# Altium PCB pcb-4layer-1oz-1.6mm.PcbDoc (part 3 of 4) (continued)
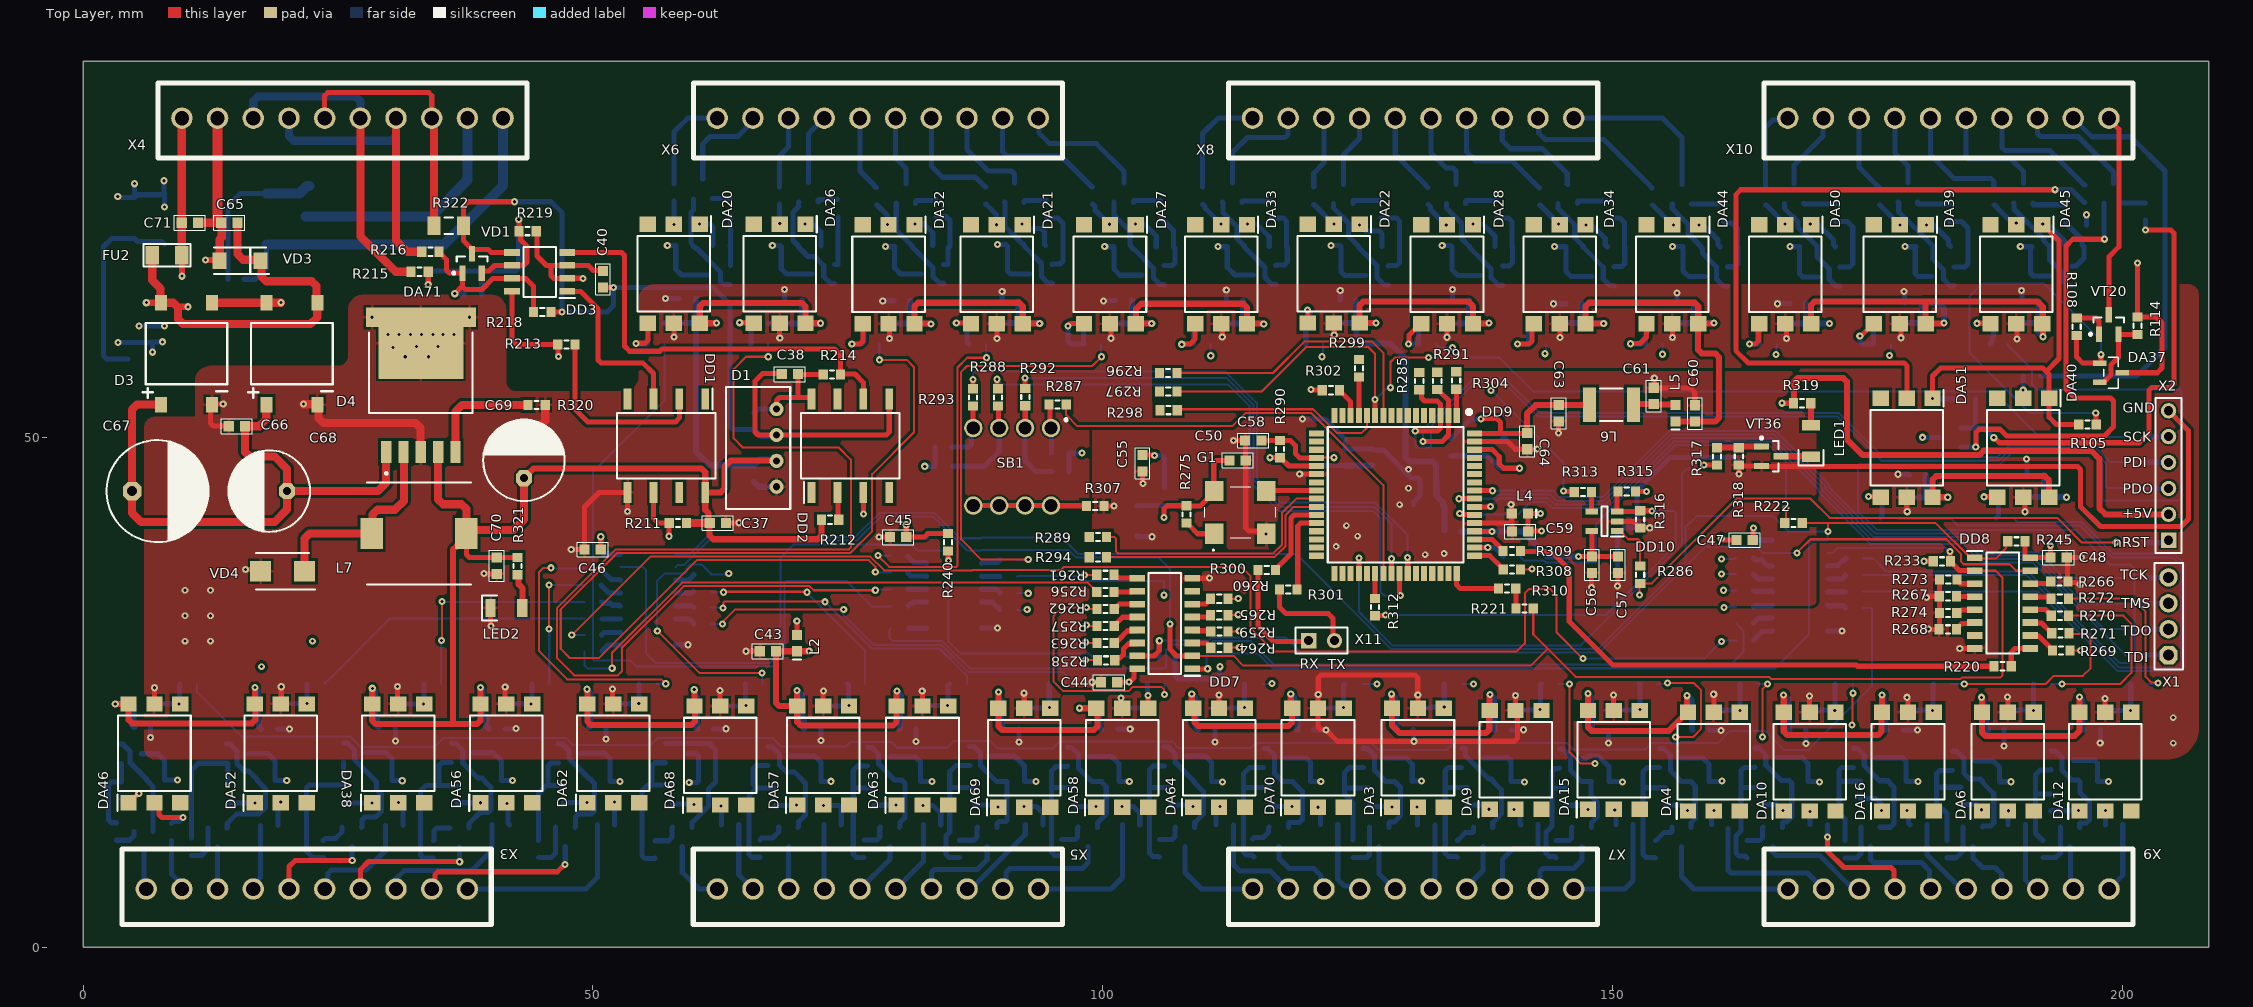
[diagram p0: Top Layer view]
## Nets (pads, with @x,y where several pads share a name; then routed paths per layer and width w, separated by ;. In a path a pad name is that pad's centre, name@x,y a point inside that pad or via, vN(x,y) a via of type N, cw(c..) or ccw(c..) an arc to the next point about the centre after c; other vN are vias at no path point) (continued)
  Bottom Layer w0.5: R22.1@163.213,8.737 163.013,8.937 162.393,8.937 162.1,9.23 162.1,10.9 162.6,11.4 162.6,15.7 ; DA8.1@163.978,17.653 163.948,17.624 162.924,17.624 162.6,17.3 162.6,15.7 ; R19.1@164.631,15.671 162.629,15.671 162.6,15.7
NetDA8_2: DA8.2 R26.2 VT5.2 | length 10.5
  Bottom Layer w0.5: DA8.2@163.978,19.533 164.007,19.503 164.388,19.503 165.038,18.853 165.038,17.862 166.563,16.337 167.35,16.337 167.588,16.099 167.588,12.765 167.077,12.253 166.722,12.253 166.672,12.203 VT5.2@166.672,11.753
NetDA9_2: DA9.2 R23.1 | length 1.8
  Bottom Layer w0.5: v1(140.356,13.515) 140.933,12.938 140.933,12.079 R23.1@141.009,12.003
NetDA9_4: DA9.4 R28.1 R31.1 | length 5.4
  Bottom Layer w0.5: R28.1@140.057,23.27 142.87,23.27 v1(142.9,23.3) 142.938,23.338 142.938,25.733 R31.1@143.011,25.806
NetDA10_2: DA10.2 R24.1 | length 1.3
  Bottom Layer w0.5: R24.1@169.381,12.019 169.385,12.022 169.385,13.315 v1(169.389,13.319)
NetDA10_4: DA10.4 R29.1 R32.1 | length 5.5
  Bottom Layer w0.5: R29.1@168.994,23.27 171.73,23.27 v1(171.8,23.2) 171.829,23.229 171.829,25.777 R32.1@171.858,25.806
NetDA11_1: DA11.1 R27.1 R30.1 | length 10
  Bottom Layer w0.5: R30.1@192.218,10.482 192.168,10.482 191.5,11.15 191.5,15 ; R27.1@192.977,15.032 191.532,15.032 191.5,15 ; DA11.1@193.021,17.389 192.992,17.36 191.96,17.36 191.5,16.9 191.5,15
NetDA11_2: DA11.2 R34.2 VT6.2 | length 10.5
  Bottom Layer w0.5: DA11.2@193.021,19.269 193.05,19.239 193.431,19.239 194.081,18.589 194.081,17.344 195.021,16.404 195.673,16.404 R34.2@195.852,16.225 195.852,15.148 196.8,14.2 196.8,12.483 196.507,12.19 195.883,12.19 195.833,12.14 VT6.2@195.833,11.753
NetDA12_2: DA12.2 R33.1 | length 1.4
  Bottom Layer w0.5: v1(198.339,13.394) 198.351,13.382 R33.1@198.351,12.003
NetDA12_4: DA12.4 R39.1 R40.1 | length 5.7
  Bottom Layer w0.5: R39.1@197.775,23.27 197.845,23.2 v1(200.8,23.2) 200.83,23.23 200.83,25.777 R40.1@200.859,25.806
NetDA13_1: DA13.1 R35.1 R37.1 | length 11.6
  Bottom Layer w0.5: R37.1@144.469,8.751 144.32,8.9 143.793,8.9 143.5,9.193 143.5,11.278 144.067,11.845 144.067,15.609 ; DA13.1@144.796,17.557 144.767,17.528 144.36,17.528 144.067,17.235 144.067,15.609 ; R35.1@145.411,15.609 144.067,15.609
NetDA13_2: DA13.2 R43.2 VT7.2 | length 10.2
  Bottom Layer w0.5: DA13.2@144.796,19.437 145.177,19.437 145.207,19.407 145.207,19.385 145.877,18.715 145.877,17.346 146.998,16.225 R43.2@147.946,16.225 ; R43.2@147.913,16.192 147.913,14.819 148.543,14.189 148.543,12.8 147.946,12.203 VT7.2@147.946,11.753
NetDA14_1: DA14.1 R36.1 R38.1 | length 10.8
  Bottom Layer w0.5: R38.1@172.806,10.445 172.806,12.594 172.2,13.2 172.2,16.3 ; DA14.1@173.634,17.627 172.493,17.627 172.2,17.334 172.2,16.3 ; R36.1@174.299,16.27 172.23,16.27 172.2,16.3
NetDA14_2: DA14.2 R44.2 VT8.2 | length 11.2
  Bottom Layer w0.5: DA14.2@173.634,19.506 173.664,19.477 174.045,19.477 174.695,18.827 174.695,17.805 176.188,16.312 177.009,16.312 R44.2@177.095,16.225 177.095,16.175 177.295,15.975 177.307,15.975 177.6,15.682 177.6,12.1 177.253,11.753 VT8.2@176.258,11.753
NetDA15_2: DA15.2 R41.1 | length 1.5
  Bottom Layer w0.5: v1(150.225,13.461) 150.333,13.353 R41.1@150.333,12.003
NetDA15_4: DA15.4 R46.1 R48.1 | length 5.6
  Bottom Layer w0.5: R46.1@149.646,23.27 152.67,23.27 v1(152.7,23.3) 152.684,23.316 152.684,25.79 R48.1@152.668,25.806
NetDA16_2: DA16.2 R42.1 | length 1.5
  Bottom Layer w0.5: v1(178.9,13.4) 179.047,13.253 179.047,12.131 R42.1@179.174,12.003
NetDA16_4: DA16.4 R45.1 R47.1 | length 5.8
  Bottom Layer w0.5: R45.1@178.32,23.27 181.33,23.27 v1(181.4,23.2) 181.438,23.238 181.438,25.746 R47.1@181.499,25.806
NetDA17_1: DA17.1 R49.1 R52.1 | length 4.9
  Bottom Layer w0.5: R49.1@63.476,68.821 63.491,68.836 63.491,71.706 R52.1@63.506,71.721 ; DA17.1@63.492,66.849 R49.1@63.492,68.821
NetDA17_2: DA17.2 R58.2 VT9.2 | length 10.2
  Bottom Layer w0.5: R58.2@59.627,69.07 59.627,72.056 59.851,72.279 59.851,73.387 VT9.2@59.852,73.388 ; R58.2@59.832,68.814 59.832,68.764 60.032,68.564 60.163,68.564 62.5,66.227 62.5,65.292 62.793,64.999 63.418,64.999 DA17.2@63.448,64.97
NetDA18_1: DA18.1 R50.1 R53.1 | length 6.7
  Bottom Layer w0.5: R53.1@94.484,71.521 95.579,71.521 96.112,70.988 R50.1@96.112,68.814 96.112,67.287 95.819,66.994 95.086,66.994 DA18.1@95.057,66.965
NetDA18_2: DA18.2 R59.2 VT10.2 | length 10.1
  Bottom Layer w0.5: VT10.2@90.398,73.052 90.437,73.014 90.437,70.659 92.1,68.995 92.15,68.995 92.35,68.795 R59.2@92.35,68.745 ; R59.2@92.35,68.695 93.996,67.049 93.996,65.765 94.646,65.115 95.027,65.115 DA18.2@95.057,65.085
NetDA19_1: DA19.1 R51.1 R54.1 | length 7.2
  Bottom Layer w0.5: R54.1@127.313,71.521 128.807,71.521 129.1,71.228 R51.1@129.1,68.697 129.1,67.123 128.807,66.83 128.04,66.83 DA19.1@128.01,66.801
NetDA19_2: DA19.2 R60.2 VT11.2 | length 10.4
  Bottom Layer w0.5: VT11.2@122.659,72.92 122.659,72.47 124.1,71.029 124.1,69.729 125.075,68.754 R60.2@125.075,68.704 125.075,68.654 126.886,66.843 126.886,65.664 127.629,64.921 DA19.2@128.01,64.921
NetDA20_2: DA20.2 R55.1 | length 2.3
  Bottom Layer w0.5: R55.1@57.938,73.15 57.938,70.899 v1(57.946,70.891)
NetDA20_4: DA20.4 R62.1 R64.1 | length 6.1
  Top Layer w0.5: v1(54.224,59.187) 54.263,59.225 55.105,59.225 55.398,59.518 DA20.4@55.398,61.189
  Bottom Layer w0.5: v1(54.224,59.187) 54.24,59.171 55.324,59.171 R64.1@55.339,59.157 ; R62.1@55.337,61.183 55.339,61.181 R64.1@55.339,59.157 ; R64.1@55.34,59.155 R64.1@55.339,59.157
NetDA21_2: DA21.2 R56.1 | length 2.5
  Bottom Layer w0.5: R56.1@88.529,72.852 88.579,72.852 89.594,71.838 v1(89.594,70.848)
NetDA21_4: DA21.4 R61.1 R65.1 | length 5.1
  Top Layer w0.5: v1(85.644,61.197) 87.032,61.197 DA21.4@87.08,61.15
  Bottom Layer w0.5: v1(85.644,61.197) v1(85.644,61.197) 86.02,61.196 86.021,61.194 R61.1@87.501,61.194 ; 86.687,60.903 86.687,59.347 R65.1@86.879,59.155
NetDA22_2: DA22.2 R57.1 | length 2.8
  Bottom Layer w0.5: R57.1@120.687,72.83 120.737,72.83 122.666,70.9 v1(122.7,70.9)
NetDA22_4: DA22.4 R63.1 R66.1 | length 5
  Top Layer w0.5: v1(120.089,62.5) 120.121,62.468 DA22.4@120.121,61.201
  Bottom Layer w0.5: R66.1@119.916,59.155 119.916,60.611 120.462,61.158 R63.1@120.462,61.208 120.351,61.318 120.351,62.184 120.089,62.446 v1(120.089,62.5)
NetDA23_1: DA23.1 R67.1 R70.1 | length 5
  Bottom Layer w0.5: DA23.1@73.705,66.955 74.03,66.955 74.06,66.985 R67.1@74.06,68.695 ; R70.1@74.033,71.624 74.047,71.611 74.047,68.758 R67.1@74.06,68.745
NetDA23_2: DA23.2 R75.2 VT12.2 | length 10.5
  Bottom Layer w0.5: VT12.2@70.2,73.085 70.15,73.035 70.15,72.585 69.632,72.066 69.632,69.301 70.177,68.756 70.177,68.656 71.099,67.734 71.736,67.734 72.644,66.826 72.644,65.755 73.324,65.076 DA23.2@73.705,65.076
NetDA24_1: DA24.1 R68.1 R71.1 | length 6.2
  Bottom Layer w0.5: R71.1@105.669,71.521 105.719,71.521 106.956,70.283 R68.1@106.956,68.687 107.089,68.553 107.089,67.154 106.797,66.861 106.067,66.861 DA24.1@106.037,66.832
NetDA24_2: DA24.2 R76.2 VT13.2 | length 10.3
  Bottom Layer w0.5: VT13.2@101.126,73.055 101.126,71.774 102.685,70.215 102.685,68.827 R76.2@102.826,68.687 ; R76.2@102.858,68.605 103.026,68.437 103.108,68.437 104.977,66.567 104.977,65.632 105.627,64.982 106.008,64.982 DA24.2@106.037,64.952
NetDA25_1: DA25.1 R69.1 R72.1 | length 6.8
  Bottom Layer w0.5: R72.1@138.626,71.521 139.779,71.521 140.165,71.135 R69.1@140.165,68.704 140.2,68.669 140.2,67.111 139.907,66.818 139.256,66.818 DA25.1@139.226,66.789
NetDA25_2: DA25.2 R78.2 VT14.2 | length 10.5
  Bottom Layer w0.5: VT14.2@133.713,72.92 133.713,72.47 135.2,70.983 135.2,69.5 135.963,68.737 R78.2@135.963,68.687 135.963,68.637 138.102,66.497 138.102,65.652 138.845,64.909 DA25.2@139.226,64.909
NetDA26_2: DA26.2 R73.1 | length 1.9
  Bottom Layer w0.5: R73.1@68.319,72.852 68.319,70.958 v1(68.327,70.95)
NetDA26_4: DA26.4 R79.1 R82.1 | length 4.6
  Top Layer w0.5: v1(64.4,61.238) 65.73,61.238 DA26.4@65.779,61.189
  Bottom Layer w0.5: v1(64.4,61.238) 64.432,61.206 65.449,61.206 65.529,61.126 65.529,59.204 R82.1@65.481,59.155
NetDA27_2: DA27.2 R74.1 | length 2.7
  Bottom Layer w0.5: R74.1@99.005,72.852 99.055,72.852 99.255,72.652 99.255,72.302 v1@100.649,70.907
  other v1: 100.649,70.895
NetDA27_4: DA27.4 R80.1 R83.1 | length 7
  Top Layer w0.5: v1(96.6,60.9) 96.85,61.15 DA27.4@98.175,61.15
  Bottom Layer w0.5: v1(96.6,60.9) 96.6,59.448 96.893,59.155 R83.1@98.155,59.155 ; R83.1@98.124,59.186 98.124,60.665 98.568,61.109 R80.1@98.568,61.159
NetDA28_2: DA28.2 R77.1 | length 2.8
  Bottom Layer w0.5: R77.1@131.908,72.817 131.958,72.817 132.158,72.617 132.158,72.342 v1(133.7,70.8)
NetDA28_4: DA28.4 R81.1 R84.1 | length 5.7
  Top Layer w0.5: v1(130.004,59.159) 130.043,59.198 130.043,60.01 131.183,61.15 DA28.4@131.233,61.15
  Bottom Layer w0.5: v1(130.004,59.159) 130.009,59.155 R84.1@130.958,59.155 130.958,60.488 131.366,60.896 131.366,60.946 R81.1@131.566,61.146
NetDA29_1: DA29.1 R85.1 R88.1 | length 6.3
  Bottom Layer w0.5: R88.1@83.658,71.631 84.669,71.631 85.039,71.261 85.039,68.764 84.839,68.564 84.839,68.287 84.823,68.272 84.823,67.278 84.822,67.277 84.822,66.985 84.793,66.956 DA29.1@84.412,66.956
NetDA29_2: DA29.2 R94.2 VT15.2 | length 10
  Bottom Layer w0.5: VT15.2@79.758,72.959 79.758,70.321 81.343,68.737 R94.2@81.343,68.687 81.343,68.637 83.351,66.628 83.351,65.756 84.001,65.106 84.382,65.106 DA29.2@84.412,65.076
NetDA30_1: DA30.1 R86.1 R89.1 | length 6.9
  Bottom Layer w0.5: R89.1@116.52,71.491 117.749,71.491 118.042,71.198 R86.1@118.042,68.704 118.1,68.646 118.1,67.185 117.807,66.892 117.006,66.892 DA30.1@116.977,66.862
NetDA30_2: DA30.2 R95.2 VT16.2 | length 10.4
  Bottom Layer w0.5: VT16.2@111.77,73.052 111.82,73.002 111.82,72.013 113.2,70.633 113.2,69.459 113.923,68.737 R95.2@113.923,68.687 113.923,68.637 115.917,66.643 115.917,65.662 116.567,65.012 116.948,65.012 DA30.2@116.977,64.983
NetDA31_1: DA31.1 R87.1 R90.1 | length 6.7
  Bottom Layer w0.5: R90.1@149.91,71.521 150.707,71.521 151.184,71.044 R87.1@151.184,68.687 151.2,68.671 151.2,67.049 150.907,66.756 150.186,66.756 DA31.1@150.156,66.726
NetDA31_2: DA31.2 R96.2 VT17.2 | length 10.6
  Bottom Layer w0.5: VT17.2@144.666,72.92 144.666,72.47 146.3,70.836 146.3,69.571 147.134,68.737 R96.2@147.134,68.687 147.134,68.637 149.096,66.675 149.096,65.526 149.746,64.876 150.127,64.876 DA31.2@150.156,64.847
NetDA32_2: DA32.2 R91.1 | length 2.4
  Bottom Layer w0.5: R91.1@77.827,72.792 77.877,72.792 78.9,71.769 v1(78.9,70.879)
NetDA32_4: DA32.4 R99.1 R102.1 | length 6.1
  Top Layer w0.5: v1(75.395,59.16) 76.207,59.16 76.5,59.453 76.5,61.11 DA32.4@76.46,61.15
  Bottom Layer w0.5: v1(75.395,59.16) 75.4,59.155 R102.1@76.389,59.155 76.589,59.355 76.589,59.689 76.598,59.698 76.598,61.025 R99.1@76.73,61.157
NetDA33_2: DA33.2 R92.1 | length 2.7
  Bottom Layer w0.5: R92.1@109.802,72.831 109.852,72.831 110.052,72.631 110.052,72.454 111.6,70.906 v1(111.6,70.9)
NetDA33_4: DA33.4 R97.1 R100.1 | length 6.4
  Top Layer w0.5: v1(107.759,59.121) 107.797,59.159 108.585,59.159 109.075,59.65 DA33.4@109.075,61.15
  Bottom Layer w0.5: v1(107.759,59.121) 107.776,59.138 108.883,59.138 R100.1@108.9,59.155 108.9,60.606 109.417,61.124 R97.1@109.417,61.174
NetDA34_2: DA34.2 R93.1 | length 2.7
  Bottom Layer w0.5: R93.1@142.85,72.777 142.9,72.777 144.7,70.977 v1(144.7,70.9)
NetDA34_4: DA34.4 R98.1 R101.1 | length 7.1
  Top Layer w0.5: v1(140.675,59.138) 141.807,59.138 142.1,59.431 142.1,60.969 DA34.4@142.281,61.15
  Bottom Layer w0.5: v1(140.675,59.138) 140.692,59.155 R101.1@141.765,59.155 141.765,60.807 141.932,60.974 142.35,60.974 142.55,61.174 R98.1@142.55,61.224
NetDA35_1: DA35.1 R103.1 R106.1 | length 14.4
  Bottom Layer w0.5: R106.1@23.558,8.765 22.535,8.765 21.9,9.4 21.9,15.607 22.193,15.9 R103.1@25.692,15.9 ; DA35.1@25.531,18.151 25.531,16.061 R103.1@25.692,15.9 ; R103.1@25.748,15.861 25.709,15.9 R103.1@25.692,15.9
NetDA35_2: DA35.2 R112.2 VT18.2 | length 11.5
  Bottom Layer w0.5: DA35.2@25.531,20.031 25.56,20.002 25.941,20.002 26.616,19.327 26.616,18.383 28.618,16.381 R112.2@28.618,16.331 28.762,16.187 28.762,15.463 29.269,14.956 29.269,13.321 28.695,12.748 27.654,12.748 27.361,12.455 27.361,11.803 VT18.2@27.311,11.753
NetDA36_1: DA36.1 R104.1 R107.1 | length 7.1
  Bottom Layer w0.5: R107.1@183.057,71.172 184.228,71.172 184.868,70.532 R104.1@184.868,68.703 184.868,67.009 184.575,66.716 DA36.1@183.515,66.716
NetDA36_2: DA36.2 R113.2 VT19.2 | length 10.7
  Bottom Layer w0.5: VT19.2@178.029,73.069 178.079,73.019 178.079,72.121 180.532,69.668 180.533,69.668 181.465,68.737 R113.2@181.465,68.687 181.465,67.437 182.454,66.447 182.454,65.515 183.104,64.865 183.485,64.865 DA36.2@183.515,64.836
NetDA37_1: DA37.1 R105.1 R108.1 | length 44.2
  Top Layer w0.5: R108.1@195.528,59.993 195.528,57.872 196.126,57.274 DA37.1@197.799,57.274 197.871,57.274 197.9,57.303 v1(197.9,58.1) ; v1(197.4,52.4) 197.44,52.36 R105.1@197.44,51.264
  Bottom Layer w0.2: v1(197.4,52.4) 190.9,52.4 185,58.3 185,63.8 186.3,65.1 192.3,65.1 197.9,59.5 v1(197.9,58.1)
NetDA37_2: DA37.2 R114.2 VT20.2 | length 7.6
  Top Layer w0.5: DA37.2@197.799,55.394 197.828,55.424 198.209,55.424 198.879,56.093 198.879,57.079 199.63,57.83 VT20.2@199.63,60.106 199.65,60.086 R114.2@201.479,60.086
NetDA38_2: DA38.2 R109.1 | length 2.4
  Bottom Layer w0.5: v1(30.955,14.198) 31.373,13.779 R109.1@31.373,11.938
NetDA38_4: DA38.4 R115.1 R118.1 | length 5.1
  Bottom Layer w0.5: R115.1@30.318,23.869 30.33,23.857 33.379,23.857 v1(33.39,23.846) 33.421,23.878 R118.1@33.421,25.806
NetDA39_2: DA39.2 R110.1 | length 2.8
  Bottom Layer w0.5: R110.1@176.175,72.777 176.225,72.777 178.2,70.802 v1(178.2,70.8)
NetDA39_4: DA39.4 R116.1 R119.1 | length 6.1
  Top Layer w0.5: v1(174.259,59.922) 174.297,59.96 174.398,59.96 175.588,61.15 DA39.4@175.638,61.15
  Bottom Layer w0.5: v1(174.259,59.922) 174.297,59.883 174.297,59.41 174.552,59.155 R119.1@175.612,59.155 175.612,60.634 176.125,61.147 R116.1@176.125,61.197
NetDA40_2: DA40.2 R111.1 | length 2.2
  Top Layer w0.5: v1(190.284,54.65) 190.284,53.821 DA40.2@190.29,53.816
  Bottom Layer w0.5: R111.1@190.268,56.022 190.276,56.014 190.276,54.658 v1(190.284,54.65)
NetDA40_4: DA40.4 R117.1 R120.1 | length 5.2
  Top Layer w0.5: v1(186.453,44.165) 187.701,44.165 DA40.4@187.75,44.116
  Bottom Layer w0.5: v1(186.453,44.165) 186.459,44.159 188.05,44.159 R117.1@188.056,44.153 187.878,43.975 187.878,42.336 R120.1@187.638,42.096
NetDA41_1: DA41.1 R121.1 R124.1 | length 6.2
  Bottom Layer w0.5: R124.1@160.916,71.172 161.088,71 161.707,71 162.254,70.453 R121.1@162.254,68.692 162.3,68.646 162.3,67.017 162.007,66.724 161.308,66.724 DA41.1@161.279,66.694
NetDA41_2: DA41.2 R129.2 VT21.2 | length 10.5
  Bottom Layer w0.5: VT21.2@155.867,72.884 155.867,72.434 157.4,70.901 157.4,69.98 158.626,68.754 R129.2@158.626,68.704 158.826,68.504 158.826,68.085 160.187,66.725 160.187,65.526 160.869,64.844 161.25,64.844 DA41.2@161.279,64.815
NetDA42_1: DA42.1 R122.1 R125.1 | length 5.8
  Bottom Layer w0.5: R125.1@194.423,71.032 194.485,71.032 194.673,70.844 194.673,70.782 196.052,69.403 196.052,68.891 R122.1@196.252,68.691 196.252,67.576 195.467,66.792 195.086,66.792 DA42.1@195.057,66.762
NetDA42_2: DA42.2 R130.2 VT22.2 | length 10.7
  Bottom Layer w0.5: VT22.2@189.34,72.976 189.39,72.926 189.39,72.381 192.3,69.471 192.3,69.287 192.85,68.737 R130.2@192.85,68.687 192.85,67.437 194.1,66.187 194.1,65.459 194.676,64.883 DA42.2@195.057,64.883
NetDA43_1: DA43.1 R123.1 R126.1 | length 7.7
  Bottom Layer w0.5: R126.1@3.291,12.175 3.266,12.2 2.793,12.2 2.5,12.493 2.5,15.917 2.793,16.21 R123.1@3.765,16.21 3.765,17.992 3.735,18.021 DA43.1@3.551,18.021
NetDA43_2: DA43.2 R132.2 VT23.2 | length 10.2
  Bottom Layer w0.5: DA43.2@3.551,19.901 3.932,19.901 3.961,19.871 3.961,19.83 4.611,19.18 4.611,18.095 6.119,16.588 6.119,16.538 R132.2@6.269,16.388 6.269,16.338 6.876,15.731 VT23.2@6.876,11.337
NetDA44_2: DA44.2 R127.1 | length 2.9
  Bottom Layer w0.5: R127.1@153.896,72.777 153.946,72.777 155.923,70.8 v1(156,70.8)
NetDA44_4: DA44.4 R134.1 R136.1 | length 6.9
  Top Layer w0.5: v1(151.764,59.173) 151.803,59.211 152.705,59.211 153.337,59.843 DA44.4@153.337,61.15
  Bottom Layer w0.5: v1(151.764,59.173) 151.773,59.164 153.25,59.164 R136.1@153.259,59.155 153.259,60.159 153.504,60.404 153.504,60.969 R134.1@153.704,61.169
NetDA45_2: DA45.2 R128.1 | length 2.9
  Bottom Layer w0.5: R128.1@187.438,72.777 187.488,72.777 187.688,72.577 187.688,72.527 189.176,71.038 189.562,71.038 v1(189.6,71)
NetDA45_4: DA45.4 R133.1 R137.1 | length 5.1
  Top Layer w0.5: v1(185.761,61.182) 187.043,61.182 DA45.4@187.075,61.15
  Bottom Layer w0.5: v1(185.761,61.182) 185.771,61.192 R133.1@187.388,61.192 187.388,59.942 187.223,59.778 187.223,59.355 R137.1@187.023,59.155
NetDA46_2: DA46.2 R131.1 | length 5.2
  Top Layer w0.5: DA46.2@7,14.15 7.454,13.696 7.454,12.993 7.747,12.7 v1(9.8,12.7)
  Bottom Layer w0.5: R131.1@8.689,12.142 8.889,12.342 9.407,12.342 9.765,12.7 v1(9.8,12.7)
NetDA46_4: DA46.4 R135.1 R138.1 | length 4.9
  Bottom Layer w0.5: R135.1@6.522,23.869 9.411,23.869 v1(9.416,23.863) 9.453,23.9 9.453,25.769 R138.1@9.49,25.806
NetDA47_1: DA47.1 R139.1 R142.1 | length 6.9
  Bottom Layer w0.5: R142.1@171.886,71.172 173.028,71.172 173.57,70.63 R139.1@173.57,68.691 173.57,67.003 173.277,66.71 172.354,66.71 DA47.1@172.325,66.68
NetDA47_2: DA47.2 R148.2 VT24.2 | length 10.6
  Bottom Layer w0.5: VT24.2@166.858,72.926 166.858,72.476 168.2,71.135 168.2,70.595 170.058,68.737 170.058,67.708 171.264,66.502 171.264,65.48 171.914,64.83 172.295,64.83 DA47.2@172.325,64.801
NetDA48_1: DA48.1 R140.1 R143.1 | length 47.9
  Top Layer w0.5: v1(187.397,49.962) 187.451,49.962 187.95,49.463 201.663,49.463 202.607,50.407 202.607,54.607 202.9,54.9 204.765,54.9 205.058,55.193 205.058,70.037 204.765,70.33 v1(202.262,70.33)
  Bottom Layer w0.5: DA48.1@184.205,50.908 185.779,50.908 ; R140.1@185.601,53.747 185.601,51.086 185.779,50.908 ; v1(187.397,49.962) 186.451,50.908 185.779,50.908 ; v1(202.262,70.33) 202.262,71.267 R143.1@202.292,71.298
NetDA48_2: DA48.2 R149.2 VT25.2 | length 46.5
  Top Layer w0.5: v1(185.63,49.051) 185.668,49.089 185.668,50.5 185.961,50.793 188.007,50.793 188.671,50.129 198.246,50.129 199.142,51.026 199.142,53.552 198.849,53.845 195.355,53.845 194.478,54.722 194.478,68.755 195.15,69.427 v1(198.264,69.427)
  Bottom Layer w0.5: DA48.2@184.205,49.028 185.607,49.028 v1(185.63,49.051) ; VT25.2@198.189,72.978 198.192,72.975 198.192,70.797 R149.2@198.195,70.795 198.195,69.551 198.264,69.482 v1(198.264,69.427)
NetDA49_1: DA49.1 R141.1 R144.1 | length 12.6
  Bottom Layer w0.5: R144.1@10.616,10.695 10.616,17.316 11.332,18.032 DA49.1@14.023,18.032 14.157,18.032 14.187,18.002 R141.1@14.187,15.861
NetDA49_2: DA49.2 R150.2 VT26.2 | length 13.1
  Bottom Layer w0.5: DA49.2@14.023,19.911 14.404,19.911 15.083,19.232 15.083,18 15.793,17.29 16.217,17.29 17.126,16.381 R150.2@17.126,16.331 17.126,16.281 17.9,15.507 17.9,13.7 17.234,13.034 15.032,13.034 14.187,12.188 14.137,12.138 VT26.2@14.137,11.688
NetDA50_2: DA50.2 R145.1 | length 2.7
  Bottom Layer w0.5: R145.1@165.024,72.777 165.074,72.777 166.9,70.951 v1(166.9,70.9)
NetDA50_4: DA50.4 R151.1 R154.1 | length 5.9
  Top Layer w0.5: v1(163.439,59.156) 164.007,59.156 164.3,59.449 164.3,61.048 DA50.4@164.401,61.15
  Bottom Layer w0.5: v1(163.439,59.156) R154.1@164.403,59.155 164.403,60.693 164.835,61.126 R151.1@164.835,61.176
NetDA51_2: DA51.2 R146.1 | length 70.9
  Top Layer w0.5: DA51.2@178.9,53.8 178.9,56.987 178.607,57.28 163.32,57.28 162.1,58.5 162.1,73.8 162.583,74.283 v1(193.411,74.283)
  Bottom Layer w0.5: v1(193.411,74.283) 195.027,74.283 196.273,73.037 R146.1@196.323,73.037
NetDA51_4: DA51.4 R152.1 R155.1 | length 5
  Top Layer w0.5: v1(175.1,44.2) 176.223,44.2 DA51.4@176.307,44.116
  Bottom Layer w0.5: v1(175.1,44.2) 176.522,44.2 R152.1@176.62,44.102 176.438,43.919 176.438,42.264 R155.1@176.271,42.096
NetDA52_2: DA52.2 R147.1 | length 2.4
  Bottom Layer w0.5: R147.1@19.106,11.938 19.106,13.874 19.391,14.158 v1(19.391,14.212)
NetDA52_4: DA52.4 R153.1 R156.1 | length 5.1
  Bottom Layer w0.5: R153.1@18.826,23.869 18.843,23.885 21.938,23.885 v1(21.955,23.901) 21.977,23.924 R156.1@21.977,25.806
NetDA53_1: DA53.1 R157.1 R160.1 | length 14.8
  Bottom Layer w0.5: R160.1@34.377,8.746 33.393,8.746 33.1,9.038 33.1,15.3 33.661,15.861 34.8,15.861 ; DA53.1@36.133,18.119 36.115,18.1 35.193,18.1 34.9,17.807 34.9,15.961 34.8,15.861 ; R157.1@36.689,15.861 34.8,15.861
NetDA53_2: DA53.2 R166.2 VT27.2 | length 11.4
  Bottom Layer w0.5: DA53.2@36.133,19.998 36.163,19.969 36.544,19.969 37.235,19.277 37.235,18.065 38.719,16.581 R166.2@39.158,16.581 ; VT27.2@37.867,11.688 37.867,12.138 38.928,13.2 39.707,13.2 40,13.493 40,15.689 39.608,16.081 39.558,16.081 39.358,16.281 R166.2@39.358,16.331
NetDA54_1: DA54.1 R158.1 R161.1 | length 13.4
  Bottom Layer w0.5: R161.1@66.373,8.809 65.593,8.809 65.3,9.102 65.3,14.788 66.106,15.594 ; DA54.1@67.191,17.791 65.993,17.791 65.7,17.498 65.7,16 66.106,15.594 ; R158.1@67.844,15.594 66.106,15.594
NetDA54_2: DA54.2 R167.2 VT28.2 | length 10.4
  Bottom Layer w0.5: DA54.2@67.191,19.671 67.221,19.641 67.602,19.641 68.286,18.957 68.286,17.865 68.964,17.187 69.743,17.187 70.656,16.275 R167.2@70.656,16.225 70.842,16.039 70.842,12.95 70.185,12.292 70.185,11.803 VT28.2@70.135,11.753
NetDA55_1: DA55.1 R159.1 R162.1 | length 13.1
  Bottom Layer w0.5: R162.1@95.991,8.863 95.854,9 95.293,9 95,9.293 95,15.6 ; DA55.1@96.54,17.742 96.51,17.713 95.413,17.713 95,17.3 95,15.6 ; R159.1@97.2,15.665 95.065,15.665 95,15.6
NetDA55_2: DA55.2 R168.2 VT29.2 | length 10.6
  Bottom Layer w0.5: DA55.2@96.54,19.622 96.569,19.592 96.95,19.592 97.637,18.906 97.637,17.543 98.955,16.225 R168.2@99.914,16.225 99.914,16.175 100.349,15.74 100.349,13.058 99.495,12.203 VT29.2@99.495,11.753
NetDA56_2: DA56.2 R163.1 | length 2.2
  Bottom Layer w0.5: v1(41.579,14.098) 41.579,14.044 41.673,13.951 41.673,12.137 R163.1@41.806,12.003
NetDA56_4: DA56.4 R169.1 R173.1 | length 5.1
  Bottom Layer w0.5: R169.1@40.808,23.869 43.946,23.869 v1(43.953,23.862) 43.953,23.916 44.023,23.986 R173.1@44.023,25.806
NetDA57_2: DA57.2 R164.1 | length 3.5
  Bottom Layer w0.5: v1(72.6,13.9) 74.063,13.9 74.356,13.607 R164.1@74.356,12.003
NetDA57_4: DA57.4 R170.1 R172.1 | length 5.1
  Bottom Layer w0.5: R170.1@72.147,23.653 75.053,23.653 v1(75.1,23.7) 75.062,23.738 75.062,25.744 R172.1@74.999,25.806
NetDA58_2: DA58.2 R165.1 | length 3.2
  Bottom Layer w0.5: v1(101.9,13.8) 103,13.8 103.638,13.162 R165.1@103.638,12.003
NetDA58_4: DA58.4 R171.1 R174.1 | length 6.6
  Top Layer w0.5: v1(104.439,24.677) 104.439,23.447 DA58.4@104.458,23.428
  Bottom Layer w0.5: R171.1@101.3,23.438 104.138,23.438 104.431,23.731 104.431,24.669 v1(104.439,24.677) 104.404,24.712 104.404,25.772 R174.1@104.369,25.806
NetDA59_1: DA59.1 R175.1 R178.1 | length 10.5
  Bottom Layer w0.5: R178.1@44.668,10.482 44.668,15.068 45.461,15.861 ; DA59.1@46.603,18.075 46.573,18.046 45.893,18.046 45.6,17.753 45.6,16 45.461,15.861 ; R175.1@47.123,15.861 45.461,15.861
NetDA59_2: DA59.2 R183.2 VT30.2 | length 11.5
  Bottom Layer w0.5: DA59.2@46.603,19.955 46.632,19.925 47.013,19.925 47.649,19.29 47.649,18.507 49.681,16.475 49.762,16.475 49.931,16.306 R183.2@49.931,16.225 ; VT30.2@48.238,11.753 48.288,11.803 48.288,12.78 48.581,13.073 49.873,13.073 50.166,13.366 50.166,15.682 50.162,15.686 50.162,16.025 R183.2@49.962,16.225
NetDA60_1: DA60.1 R176.1 R179.1 | length 13
  Bottom Layer w0.5: 75.8,15.6 75.538,15.6 ; 75.801,15.601 R176.1@77.574,15.601 ; R179.1@76.584,8.805 75.831,8.805 75.538,9.098 75.538,15.6 ; DA60.1@76.949,17.742 75.942,17.742 75.538,17.338 75.538,15.6
NetDA60_2: DA60.2 R184.2 VT31.2 | length 10.2
  Bottom Layer w0.5: DA60.2@76.971,19.6 77,19.571 77.381,19.571 78.031,18.921 78.031,17.95 79.594,16.387 80.281,16.387 80.604,16.064 80.604,12.722 80.135,12.253 80.135,11.803 VT31.2@80.085,11.753
NetDA61_1: DA61.1 R177.1 R180.1 | length 13
  Bottom Layer w0.5: R180.1@105.551,8.837 105.488,8.9 104.893,8.9 104.6,9.193 104.6,15.6 ; DA61.1@106.041,17.775 106.012,17.745 104.945,17.745 104.6,17.4 104.6,15.6 ; R177.1@106.681,15.64 104.64,15.64 104.6,15.6
NetDA61_2: DA61.2 R186.2 VT32.2 | length 10.1
  Bottom Layer w0.5: DA61.2@106.041,19.654 106.07,19.625 106.451,19.625 107.101,18.975 107.101,18.143 108.969,16.275 R186.2@108.969,16.225 108.969,16.175 109.9,15.244 109.9,13.068 109.035,12.203 VT32.2@109.035,11.753
NetDA62_2: DA62.2 R181.1 | length 2.2
  Bottom Layer w0.5: v1(52.134,14.213) v1(52.134,14.213) R181.1@52.135,12.003
NetDA62_4: DA62.4 R187.1 R190.1 | length 4.9
  Bottom Layer w0.5: R187.1@51.479,23.869 54.469,23.869 v1(54.5,23.9) 54.51,23.91 54.51,25.796 R190.1@54.52,25.806
NetDA63_2: DA63.2 R182.1 | length 3.2
  Bottom Layer w0.5: v1(82.4,13.9) 83.344,13.9 84.121,13.123 R182.1@84.121,12.003
NetDA63_4: DA63.4 R188.1 R191.1 | length 5.1
  Bottom Layer w0.5: R188.1@81.876,23.653 81.924,23.7 v1(84.8,23.7) 84.838,23.738 84.838,25.666 R191.1@84.978,25.806
NetDA64_2: DA64.2 R185.1 | length 2
  Bottom Layer w0.5: R185.1@111.119,11.986 111.119,13.481 111.438,13.8 v1(111.5,13.8)
NetDA64_4: DA64.4 R189.1 R192.1 | length 5.4
  Bottom Layer w0.5: R189.1@110.85,23.438 113.838,23.438 v1(113.9,23.5) 113.911,23.511 113.911,25.795 R192.1@113.923,25.806
NetDA65_1: DA65.1 R193.1 R196.1 | length 14.3
  Bottom Layer w0.5: R196.1@56.113,8.727 56.086,8.7 55.093,8.7 54.8,8.993 54.8,15.3 55.4,15.9 55.7,15.9 ; DA65.1@57.107,18.081 56.093,18.081 55.8,17.788 55.8,16 55.7,15.9 ; R193.1@57.762,15.861 57.723,15.9 55.7,15.9
NetDA65_2: DA65.2 R202.2 VT33.2 | length 13.8
  Bottom Layer w0.5: DA65.2@57.107,19.961 61.439,19.961 62.044,19.356 62.044,16.175 61.844,15.975 61.794,15.975 61.34,15.52 61.34,13.827 59.716,12.203 VT33.2@59.716,11.753
NetDA66_1: DA66.1 R194.1 R197.1 | length 14.3
  Bottom Layer w0.5: R197.1@85.944,8.782 84.941,8.782 84.648,9.075 84.648,10.948 85,11.3 85,15.7 ; DA66.1@86.968,17.797 85.597,17.797 85,17.2 85,15.7 ; R194.1@87.416,15.636 85.064,15.636 85,15.7
NetDA66_2: DA66.2 R203.2 VT34.2 | length 11.1
  Bottom Layer w0.5: DA66.2@86.968,19.676 87.349,19.676 88.028,18.997 88.028,17.8 89.603,16.225 R203.2@90.635,16.225 90.635,12.435 90.5,12.3 89.827,12.3 89.627,12.1 VT34.2@89.627,11.753